# KiCad board 34.kicad_pcb
title: 34; date: 2022-01-05; rev: 0.1; company: <3
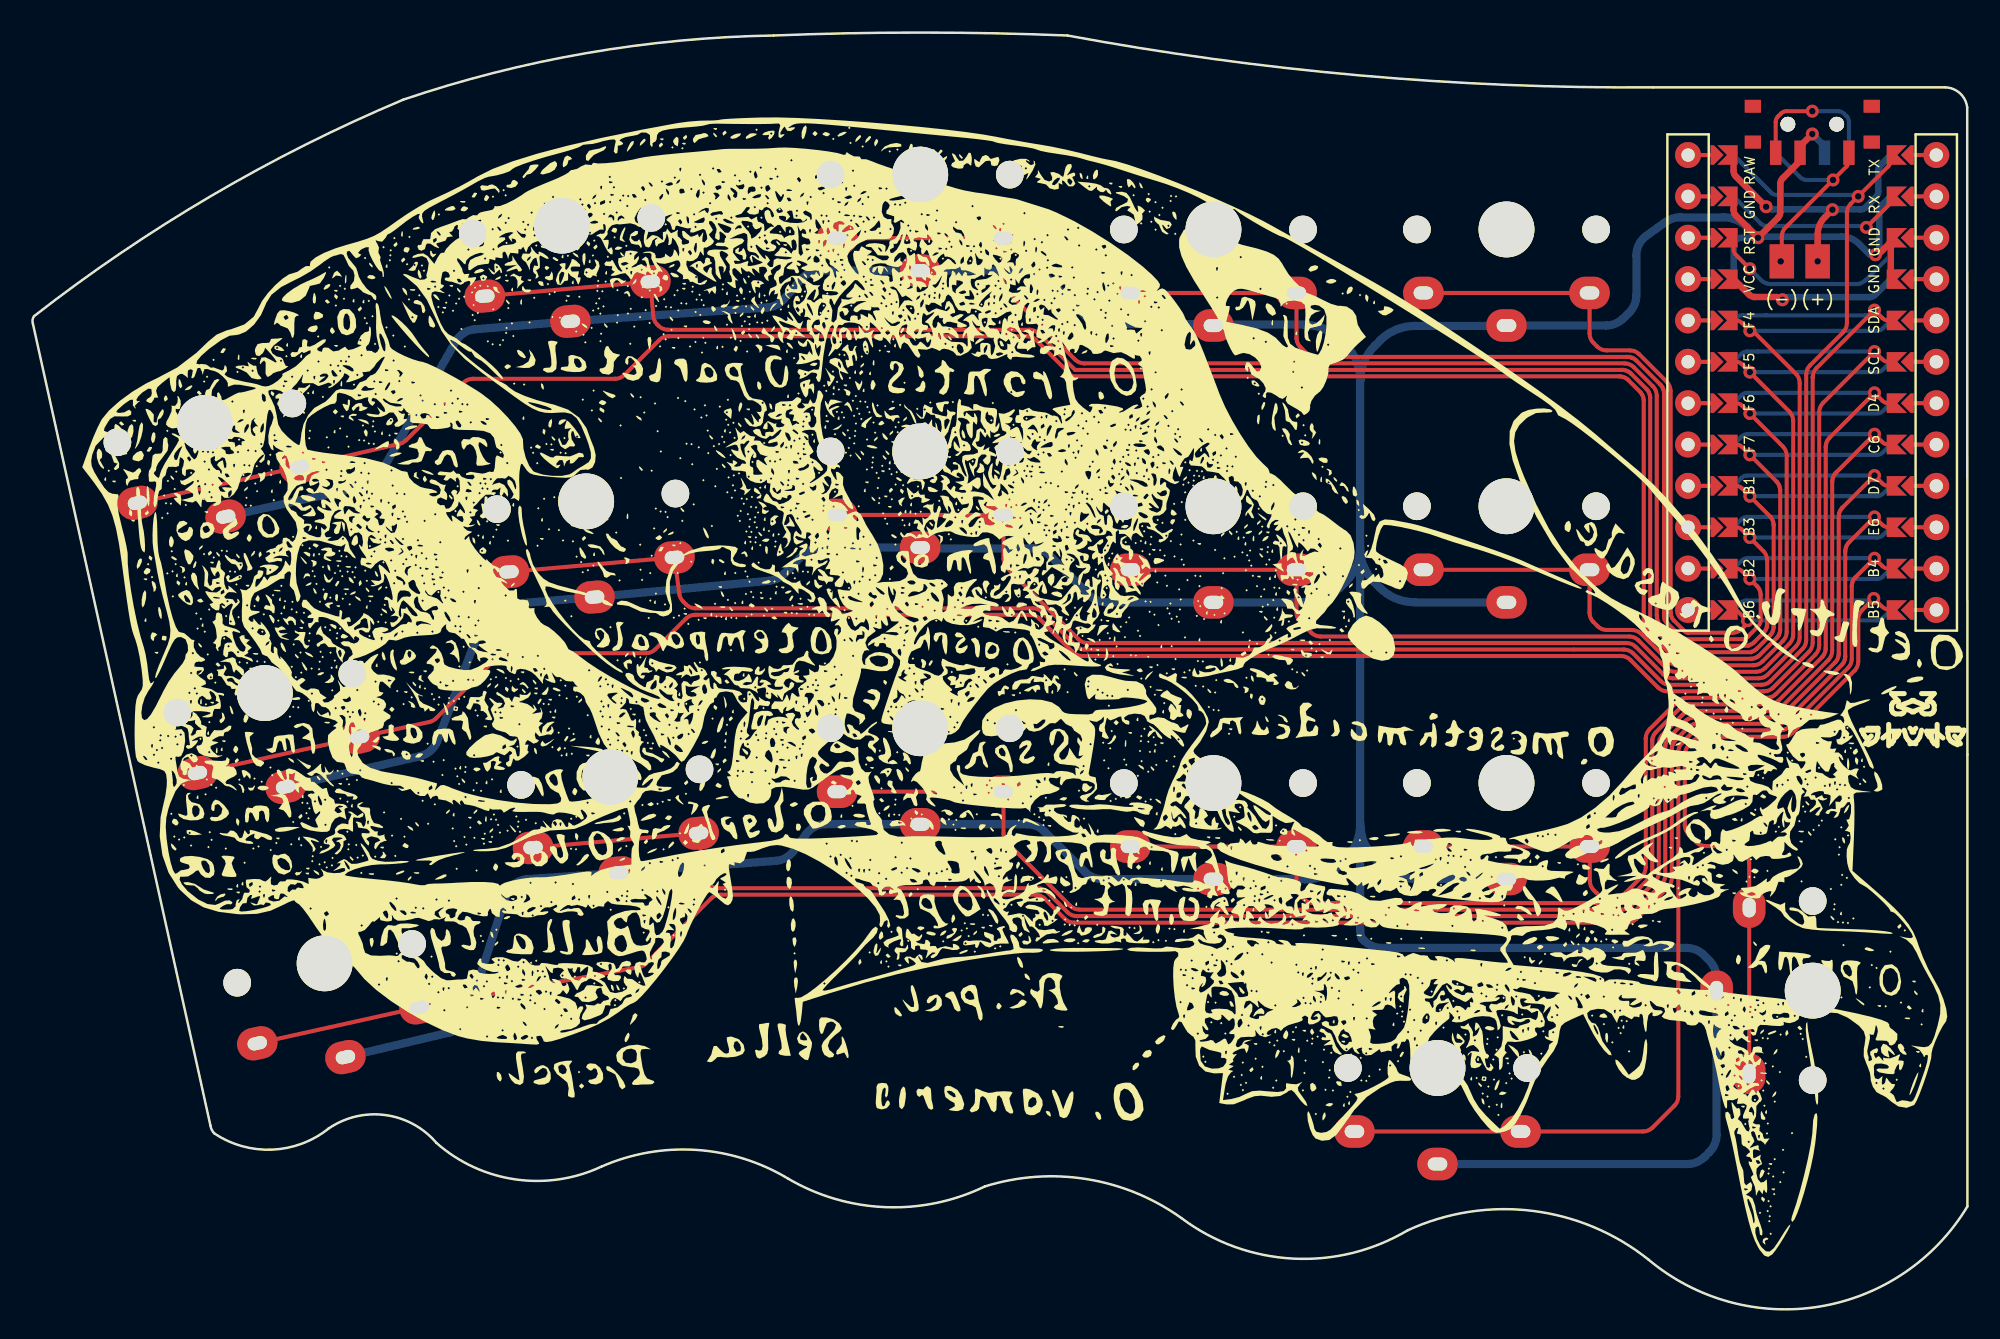
[diagram p0: board, top side]
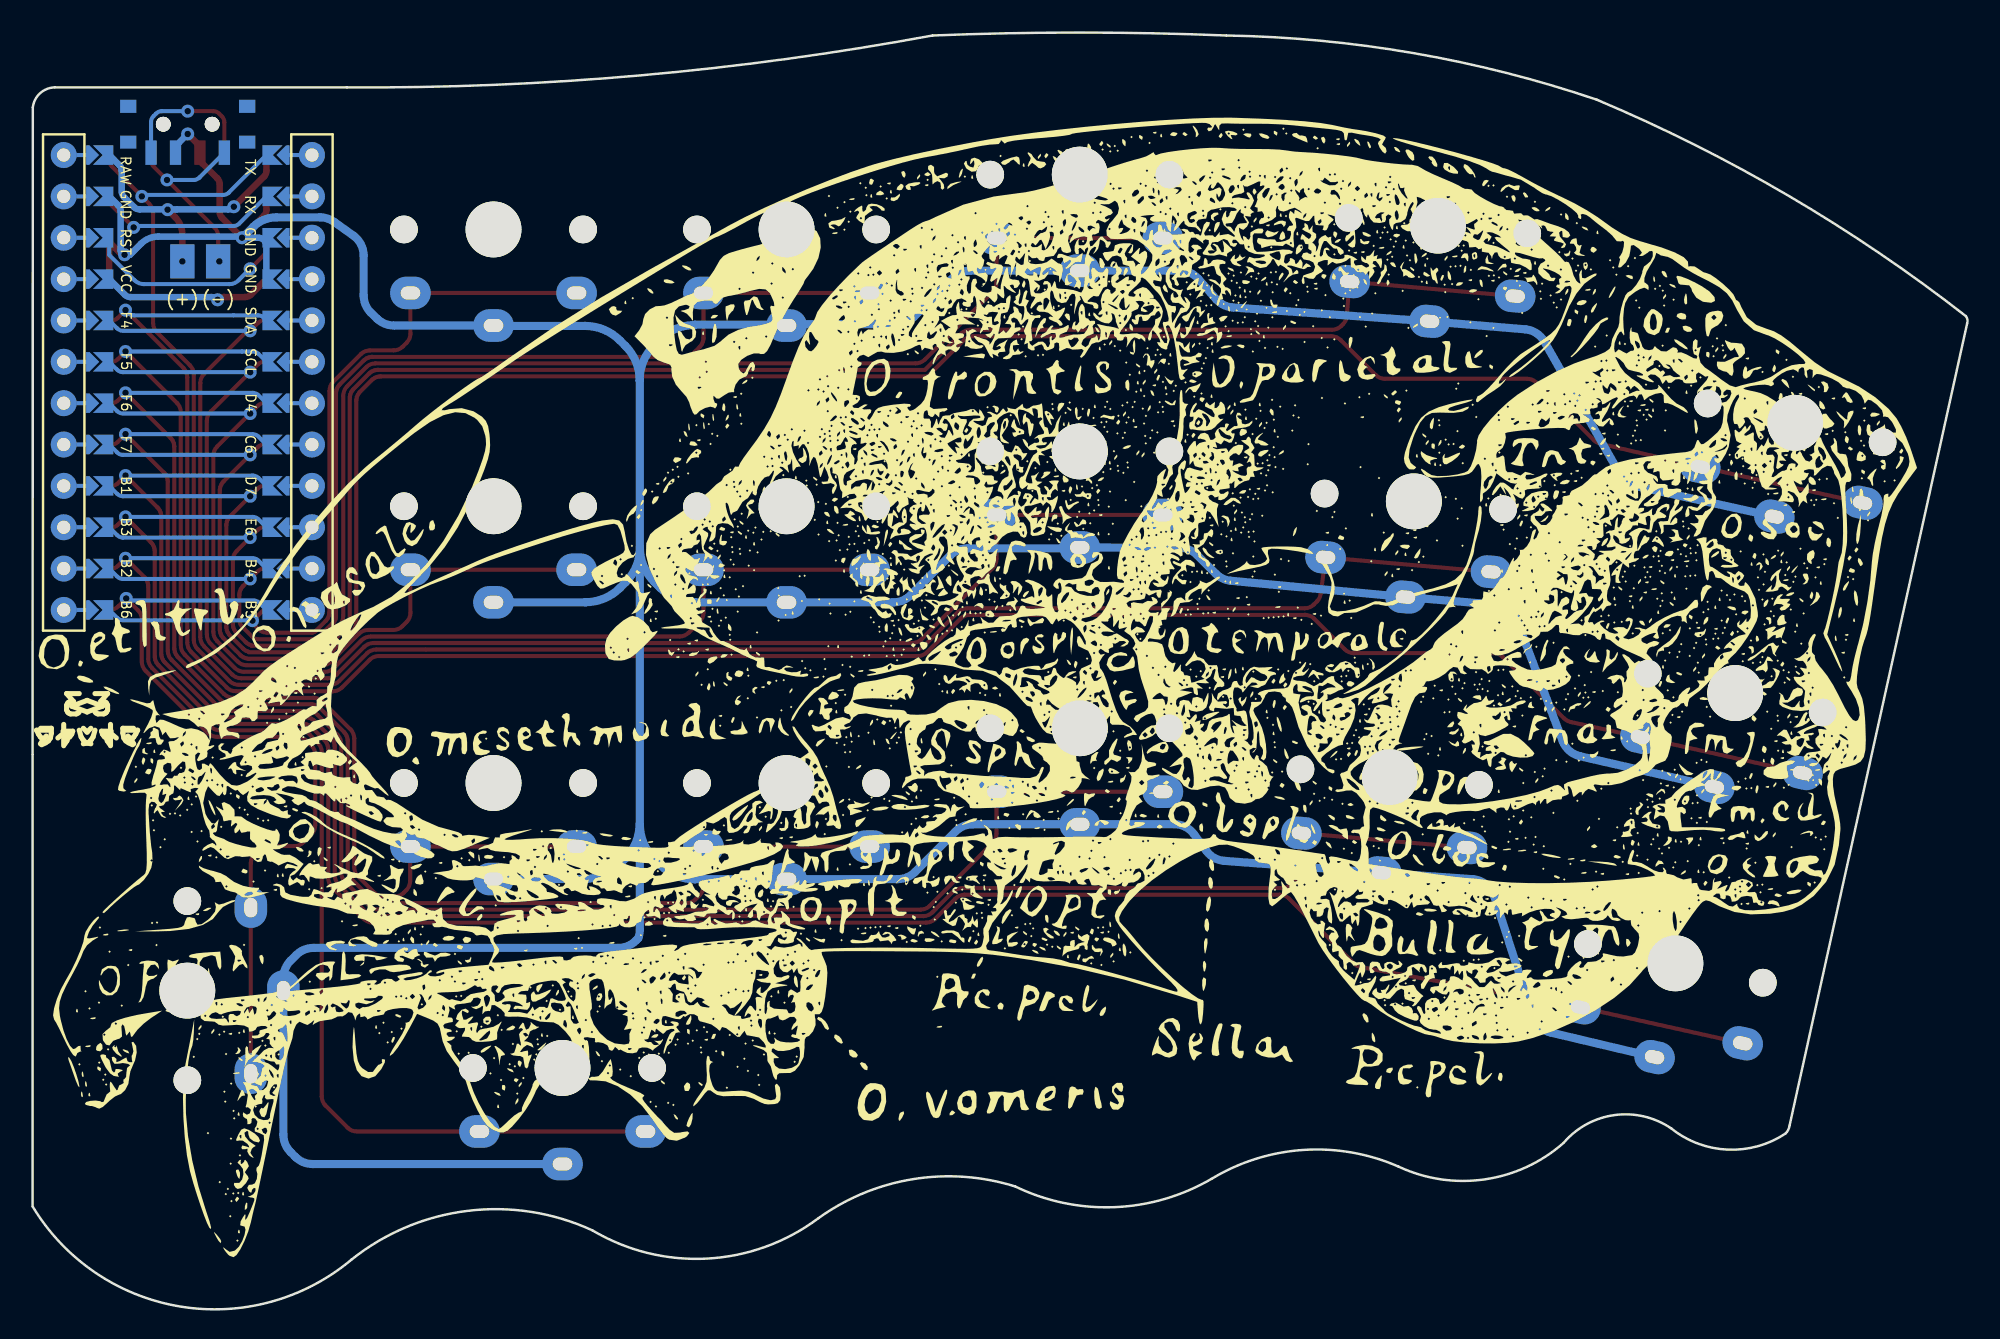
[diagram p1: board, bottom side, seen from below]

Outline 118.79 x 78.24 mm; copper layers: Top, Bottom. Coordinates in mm from the lower left corner of the outline.
Outline path: 0.02,60.37 arc(0,60.6) 0.09,60.82 arc(10.99,68.22) 22.77,74.12 arc(33.98,76.97) 45.5,78.06 arc(54.52,78.24) 63.53,78.06 arc(81.44,75.61) 99.49,74.87 117.44,74.87 arc(118.34,74.5) 118.78,73.64 118.79,33.9 118.79,6.15 arc(109.76,0) 99.22,2.87 arc(92.07,5.87) 84.42,4.67 arc(77.37,2.94) 70.54,5.42 arc(64.73,7.82) 58.47,7.37 arc(52.37,6.1) 46.39,7.85 arc(40.76,9.61) 34.94,8.6 arc(29.65,7.8) 24.79,10.05 arc(21.65,11.75) 18.17,10.92 arc(14.72,9.63) 11.17,10.62 arc(11,10.85) 10.92,11.12 0.02,60.37
Stack: Top 0.035mm / dielectric 1.51mm FR4 er 4.5 / Bottom 0.035mm

## Placement (name value [footprint] x y rotation side)
BT1  Battery_Cell  [Battery_pads_reversible]  108.5 64.18 180 top
CATSKULLB  -  [LOGO]  60.87 39.58 175 bottom
CATSKULLF  -  [LOGO]  60.87 39.58 355 top
PSW1  SW_SPDT  [Power_reversible]  109.27 72.61 180 top
SW1  SW_PUSH  [Choc_reversible]  10.58 54.27 12.5 top
SW2  SW_PUSH  [Choc_reversible]  32.51 66.38 5 top
SW3  SW_PUSH  [Choc_reversible]  54.5 69.51 0 top
SW4  SW_PUSH  [Choc_reversible]  72.5 66.14 0 top
SW5  SW_PUSH  [Choc_reversible]  90.49 66.15 0 top
SW6  SW_PUSH  [Choc_reversible]  14.26 37.67 12.5 top
SW7  SW_PUSH  [Choc_reversible]  33.99 49.44 5 top
SW8  SW_PUSH  [Choc_reversible]  54.5 52.51 0 top
SW9  SW_PUSH  [Choc_reversible]  72.5 49.14 0 top
SW10  SW_PUSH  [Choc_reversible]  90.49 49.15 0 top
SW11  SW_PUSH  [Choc_reversible]  17.93 21.07 12.5 top
SW12  SW_PUSH  [Choc_reversible]  35.47 32.51 5 top
SW13  SW_PUSH  [Choc_reversible]  54.5 35.51 0 top
SW14  SW_PUSH  [Choc_reversible]  72.5 32.14 0 top
SW15  SW_PUSH  [Choc_reversible]  90.49 32.15 0 top
SW16  SW_PUSH  [Choc_reversible]  86.26 14.65 0 top
SW17  SW_PUSH  [Choc_reversible]  109.29 19.4 270 top
U1  ProMicro  [ProMicro_jumpers]  109.26 56.75 0 top

## Library data of the parts
BT1 = -: Field4: BT01
PSW1 = -: Field4: SW01

## Footprints (pads in the part's own frame, mm; a bottom-side part is the same pattern mirrored in y, then rotated)
Battery_pads_reversible
  rect 1.5x2.1 smd: 1(-1.1,0) 2(1.1,0)
  rect 1.5x2.1 smd far side: 1(-1.1,0) 2(1.1,0)
Choc_reversible
  round 1.702 hole 1.702 unplated: (-5.5,0) (5.5,0)
  round 3.429 hole 3.429 unplated: (0,0)
  oval 2.5x2 hole 1.2x0.8: 1(-5.1,-3.9) 1(5.1,-3.9) 2(0,-5.9)
Power_reversible
  rect 1x0.8 smd: (-3.65,1.1) (-3.65,-1.1) (3.65,1.1) (3.65,-1.1)
  rect 1x0.8 smd far side: (-3.65,1.1) (-3.65,-1.1) (3.65,1.1) (3.65,-1.1)
  round 0.9 hole 0.9 unplated: (-1.5,0) (-1.5,0) (1.5,0) (1.5,0)
  rect 0.7x1.5 smd: 1(-2.25,1.75) 2(0.75,1.75) 3(2.25,1.75)
  rect 0.7x1.5 smd far side: 1(2.25,1.75) 2(-0.75,1.75) 3(-2.25,1.75)
ProMicro_jumpers
  round 1.6 hole 0.813: (-7.62,13.97) (-7.62,11.43) (-7.62,8.89) (-7.62,6.35) (-7.62,3.81) (-7.62,1.27) (-7.62,-1.27) (-7.62,-3.81) (-7.62,-6.35) (-7.62,-8.89) (-7.62,-11.43) (-7.62,-13.97) (7.62,13.97) (7.62,11.43) (7.62,8.89) (7.62,6.35) (7.62,3.81) (7.62,1.27) (7.62,-1.27) (7.62,-3.81) (7.62,-6.35) (7.62,-8.89) (7.62,-11.43) (7.62,-13.97)
  custom 1x0.25 smd: (-6.35,13.97) (-6.35,11.43) (-6.35,8.89) (-6.35,6.35) (-6.35,3.81) (-6.35,1.27) (-6.35,-1.27) (-6.35,-3.81) (-6.35,-6.35) (-6.35,-8.89) (-6.35,-11.43) (-6.35,-13.97) (6.35,13.97) (6.35,11.43) (6.35,8.89) (6.35,6.35) (6.35,3.81) (6.35,1.27) (6.35,-1.27) (6.35,-3.81) (6.35,-6.35) (6.35,-8.89) (6.35,-11.43) (6.35,-13.97)
  custom 1x0.25 smd far side: (-6.35,13.97) (-6.35,11.43) (-6.35,8.89) (-6.35,6.35) (-6.35,3.81) (-6.35,1.27) (-6.35,-1.27) (-6.35,-3.81) (-6.35,-6.35) (-6.35,-8.89) (-6.35,-11.43) (-6.35,-13.97) (6.35,13.97) (6.35,11.43) (6.35,8.89) (6.35,6.35) (6.35,3.81) (6.35,1.27) (6.35,-1.27) (6.35,-3.81) (6.35,-6.35) (6.35,-8.89) (6.35,-11.43) (6.35,-13.97)
  custom 0.8x1.2 smd: (-5.842,13.97) (-5.842,11.43) (-5.842,8.89) (-5.842,6.35) (-5.842,3.81) (-5.842,1.27) (-5.842,-1.27) (-5.842,-3.81) (-5.842,-6.35) (-5.842,-8.89) (-5.842,-11.43) (-5.842,-13.97) (5.842,13.97) (5.842,11.43) (5.842,8.89) (5.842,6.35) (5.842,3.81) (5.842,1.27) (5.842,-1.27) (5.842,-3.81) (5.842,-6.35) (5.842,-8.89) (5.842,-11.43) (5.842,-13.97)
  custom 0.8x1.2 smd far side: (-5.842,13.97) (-5.842,11.43) (-5.842,8.89) (-5.842,6.35) (-5.842,3.81) (-5.842,1.27) (-5.842,-1.27) (-5.842,-3.81) (-5.842,-6.35) (-5.842,-8.89) (-5.842,-11.43) (-5.842,-13.97) (5.842,13.97) (5.842,11.43) (5.842,8.89) (5.842,6.35) (5.842,3.81) (5.842,1.27) (5.842,-1.27) (5.842,-3.81) (5.842,-6.35) (5.842,-8.89) (5.842,-11.43) (5.842,-13.97)
  custom 1.25x1.2 smd far side: 1(-4.826,13.97) 2(-4.826,11.43) 3(-4.826,8.89) 4(-4.826,6.35) 5(-4.826,3.81) 6(-4.826,1.27) 7(-4.826,-1.27) 8(-4.826,-3.81) 9(-4.826,-6.35) 10(-4.826,-8.89) 11(-4.826,-11.43) 12(-4.826,-13.97) 13(4.826,-13.97) 14(4.826,-11.43) 15(4.826,-8.89) 16(4.826,-6.35) 17(4.826,-3.81) 18(4.826,-1.27) 19(4.826,1.27) 20(4.826,3.81) 21(4.826,6.35) 22(4.826,8.89) 23(4.826,11.43) 24(4.826,13.97)
  custom 1.25x1.2 smd: 1(4.826,13.97) 2(4.826,11.43) 3(4.826,8.89) 4(4.826,6.35) 5(4.826,3.81) 6(4.826,1.27) 7(4.826,-1.27) 8(4.826,-3.81) 9(4.826,-6.35) 10(4.826,-8.89) 11(4.826,-11.43) 12(4.826,-13.97) 13(-4.826,-13.97) 14(-4.826,-11.43) 15(-4.826,-8.89) 16(-4.826,-6.35) 17(-4.826,-3.81) 18(-4.826,-1.27) 19(-4.826,1.27) 20(-4.826,3.81) 21(-4.826,6.35) 22(-4.826,8.89) 23(-4.826,11.43) 24(-4.826,13.97)

## Nets
GND: PSW1.2 SW1.2 SW2.2 SW3.2 SW4.2 SW5.2 SW6.2 SW7.2 SW8.2 SW9.2 SW10.2 SW11.2 SW12.2 SW13.2 SW14.2 SW15.2 SW16.2 SW17.2 U1.3 U1.4 U1.23
VCC: U1.21
raw: BT1.1 U1.24
switch1: SW1.1 U1.17
switch2: SW2.1 U1.16
switch3: SW3.1 U1.15
switch4: SW4.1 U1.14
switch5: SW5.1 U1.13
switch6: SW6.1 U1.5
switch7: SW7.1 U1.1
switch8: SW8.1 U1.20
switch9: SW9.1 U1.19
switch10: SW10.1 U1.18
switch11: SW11.1 U1.10
switch12: SW12.1 U1.9
switch13: SW13.1 U1.8
switch14: SW14.1 U1.7
switch15: SW15.1 U1.6
switch16: SW16.1 U1.11
switch17: SW17.1 U1.12
Net-(BT1-Pad2): BT1.2 PSW1.1

Pads without a net: PSW1 3; U1 2 22

## Via types
v1: diameter 0.8, hole 0.4, Top to Bottom, 29 vias

## Routing (per net, layer and track width the routed paths; a pad name or vN(x,y) marks a point on that pad's centre or on a via; arc(x,y) is an arc through that point)
GND: length 398.1
  Top w0.4: v1(109.27,72.01) 108.66,71.4 arc(108.56,71.24) 108.52,71.05 PSW1.2 108.52,70.56 arc(108.48,70.37) 108.37,70.21 107.45,69.29 arc(107.34,69.12) 107.3,68.93 107.3,67.21 arc(107.27,67.02) 107.16,66.86 v1(105.93,65.64) 104.58,66.99 arc(104.47,67.15) 104.43,67.34 U1.23 ; U1.4 U1.3 114.09,65.57 arc(114.06,65.41) 113.98,65.27 113.31,64.59 v1(113.14,64.59)
  Bottom w0.4: U1.4 104.43,65.14 arc(104.58,65.49) 104.93,65.64 v1(105.93,65.64) ; v1(105.93,65.64) 106.01,65.71 111.07,65.71 arc(111.64,65.59) 112.13,65.27 112.81,64.59 v1(113.14,64.59) 113.26,64.59 113.35,64.68 arc(113.38,64.77) 113.39,64.87 113.39,67.27 arc(113.42,67.46) 113.53,67.62 U1.23 ; v1(105.93,65.64) 105.91,65.64 ; v1(109.27,72.01) 109.87,71.4 arc(109.98,71.24) 110.02,71.05 PSW1.2
  Bottom w0.5: 105.91,65.64 105.24,66.3 arc(104.59,66.74) 103.83,66.89 101.15,66.89 arc(100.69,66.82) 100.28,66.61 99.1,65.77 arc(98.63,65.23) 98.47,64.55 98.47,62.1 arc(98.35,61.52) 98.02,61.03 97.65,60.67 arc(97.17,60.36) 96.61,60.25 SW5.2 90.47,60.22 84.87,60.22 84.87,60.22 arc(83.72,59.99) 82.75,59.34 82.4,58.99 arc(81.75,58.02) 81.52,56.87 81.51,56.86 81.51,23.13 arc(81.53,22.87) 81.6,22.62 81.76,22.46 arc(82.25,22.13) 82.82,22.02 101.55,22.02 arc(102.12,21.91) 102.61,21.58 102.95,21.23 arc(103.28,20.75) 103.39,20.17 103.39,10.54 arc(103.28,9.97) 102.95,9.48 102.66,9.18 arc(102.17,8.86) 101.6,8.75 86.19,8.75 ; 72.55,26.19 72.5,26.14 SW14.2 ; SW6.2 23.78,33.79 arc(24.43,34.12) 24.85,34.72 27.66,42.14 arc(28.16,42.8) 28.94,43.1 SW7.2 45.23,44.57 arc(45.73,44.71) 46.15,45 47.3,46.16 arc(47.79,46.48) 48.36,46.6 54.51,46.61 54.56,46.56 61.39,46.56 arc(61.96,46.45) 62.45,46.12 64.89,43.68 arc(65.37,43.36) 65.95,43.24 SW9.2 78.12,43.24 78.13,43.25 arc(79.28,43.48) 80.25,44.13 80.63,44.5 arc(81.28,45.48) 81.51,46.62 ; SW14.2 78.12,26.24 78.13,26.23 arc(79.28,26.46) 80.25,27.11 80.63,27.48 arc(81.28,28.46) 81.51,29.61 ; SW14.2 65.68,26.24 arc(65.1,26.36) 64.61,26.68 62.12,29.17 arc(61.64,29.5) 61.06,29.61 54.51,29.61 48.7,29.62 arc(48.02,29.46) 47.49,29.01 46.73,27.97 arc(46.25,27.55) 45.63,27.37 SW12.2 30.38,26.24 arc(29.56,25.93) 29.06,25.2 26.68,17.82 arc(26.27,17.18) 25.59,16.83 SW11.2 ; SW1.2 20.34,50.38 arc(20.91,50.63) 21.32,51.1 25.98,59.26 arc(26.47,59.78) 27.15,60.01 SW2.2 45.1,61.35 arc(45.66,61.5) 46.12,61.86 47.22,63.11 arc(47.73,63.49) 48.35,63.62 54.51,63.61 61.23,63.61 arc(61.8,63.5) 62.29,63.17 64.69,60.77 arc(65.18,60.44) 65.75,60.33 72.42,60.33 SW4.2 72.55,60.3 78.12,60.3 78.15,60.27 arc(79.29,60.05) 80.27,59.4 80.64,59.02 arc(81.29,58.05) 81.52,56.9 ; 90.49,43.25 84.85,43.25 84.85,43.25 arc(83.7,43.48) 82.73,44.13 82.38,44.48 arc(81.73,45.45) 81.5,46.6 ; 90.51,26.25 84.91,26.25 84.9,26.26 arc(83.75,26.49) 82.78,27.14 82.4,27.51 arc(81.75,28.48) 81.53,29.63
VCC: length 10.6
  Top w0.4: v1(107.43,61.83) 107.41,61.85 arc(107.25,61.96) 107.06,61.99 105.74,61.99 arc(105.55,62.03) 105.39,62.14 U1.21
  Bottom w0.4: U1.21 113.13,62.14 arc(112.96,62.03) 112.77,61.99 107.81,61.99 arc(107.61,61.95) 107.45,61.84 v1(107.43,61.83)
raw: length 17.5
  Top w0.4: U1.24 104.43,69.75 arc(104.47,69.56) 104.58,69.39 v1(106.43,67.54) ; v1(109.6,64.18) 109.6,65.83 arc(109.71,66.41) 110.04,66.89 v1(110.5,67.36)
  Bottom w0.4: U1.24 113.47,70.1 arc(113.36,69.93) 113.32,69.74 113.32,68.48 arc(113.28,68.29) 113.17,68.13 112.57,67.52 arc(112.41,67.41) 112.21,67.38 106.81,67.38 arc(106.61,67.41) 106.45,67.52 v1(106.43,67.54)
switch1: length 142.7
  Top w0.25: U1.17 104.59,52.94 arc(104.78,52.9) 104.95,52.79 v1(105.43,52.3) 107.06,50.67 107.12,50.62 107.2,50.49 107.26,50.34 107.29,50.19 107.3,50.11 107.3,41.59 107.29,41.52 107.26,41.36 107.2,41.22 107.12,41.09 107.06,41.03 106.04,40.01 105.99,39.96 105.86,39.87 105.71,39.81 105.56,39.78 105.48,39.78 101.19,39.78 101.11,39.78 100.96,39.81 100.81,39.87 100.68,39.96 100.62,40.01 99.15,41.48 99.1,41.54 99.01,41.67 98.95,41.82 98.92,41.97 98.92,42.05 98.92,55.61 98.92,55.69 98.89,55.85 98.83,55.99 98.74,56.12 98.68,56.18 97.98,56.89 97.92,56.94 97.79,57.03 97.64,57.09 97.49,57.12 97.41,57.12 63.84,57.12 61.61,59.35 arc(61.35,59.52) 61.04,59.59 39.04,59.59 arc(38.74,59.52) 38.48,59.35 36.33,57.21 arc(36.08,57.04) 35.77,56.97 27.03,56.97 arc(26.73,56.91) 26.47,56.74 22.93,53.2 arc(22.75,53.07) 22.54,52.99 SW1.1 SW1.1
  Bottom w0.25: U1.17 113.6,52.45 arc(113.43,52.34) 113.24,52.3 v1(105.43,52.3)
switch2: length 117.4
  Top w0.25: SW2.1 SW2.1 38.11,60.82 arc(38.18,60.55) 38.34,60.32 38.44,60.22 arc(38.7,60.05) 39.01,59.98 61.21,59.98 arc(61.51,59.92) 61.77,59.75 64,57.52 97.58,57.52 97.66,57.52 97.81,57.49 97.95,57.43 98.09,57.34 98.14,57.29 99.08,56.34 99.14,56.29 99.23,56.16 99.29,56.01 99.32,55.86 99.32,55.78 99.32,42.21 99.32,42.14 99.35,41.98 99.41,41.84 99.5,41.71 99.55,41.65 100.79,40.41 100.85,40.36 100.98,40.27 101.12,40.21 101.15,40.18 105.51,40.18 105.55,40.21 105.69,40.27 105.82,40.36 105.88,40.41 106.66,41.19 106.72,41.25 106.8,41.38 106.86,41.53 106.89,41.68 106.9,41.76 106.9,47.97 106.89,48.04 106.86,48.2 106.8,48.34 106.72,48.48 106.66,48.53 v1(105.43,49.76) 104.95,50.25 arc(104.78,50.36) 104.59,50.4 U1.16
  Bottom w0.25: U1.16 113.6,49.91 arc(113.43,49.8) 113.24,49.76 v1(105.43,49.76)
switch3: length 93.9
  Top w0.25: U1.15 104.59,47.86 arc(104.78,47.82) 104.95,47.71 v1(105.43,47.22) 106.26,46.39 arc(106.44,46.13) 106.5,45.83 106.5,41.93 106.49,41.85 106.46,41.69 106.4,41.55 106.32,41.42 106.26,41.36 105.71,40.81 105.66,40.76 105.53,40.67 105.38,40.61 105.35,40.58 101.44,40.58 101.29,40.61 101.14,40.67 101.01,40.76 100.96,40.81 100,41.76 arc(99.79,42.08) 99.72,42.45 99.72,55.94 arc(99.66,56.25) 99.48,56.51 98.31,57.68 arc(98.05,57.86) 97.74,57.92 64.57,57.92 arc(64.27,57.98) 64.01,58.15 59.85,62.32 arc(59.67,62.58) 59.61,62.88 59.61,65.61 49.41,65.61
  Bottom w0.25: v1(105.43,47.22) 113.24,47.22 arc(113.43,47.26) 113.6,47.37 U1.15
switch4: length 70.9
  Top w0.25: SW4.1 SW4.1 77.6,59.49 77.6,59.41 77.63,59.26 77.69,59.12 77.78,58.98 77.83,58.93 78.21,58.55 78.27,58.5 78.4,58.41 78.54,58.35 78.7,58.32 78.78,58.32 97.91,58.32 97.99,58.32 98.14,58.29 98.29,58.23 98.42,58.14 98.47,58.08 99.93,56.63 99.98,56.57 100.07,56.44 100.13,56.3 100.16,56.14 100.16,56.06 100.16,42.37 100.17,42.31 100.2,42.18 100.26,42.07 100.31,42.02 100.34,41.99 100.35,41.99 100.4,41.93 101.12,41.21 101.18,41.16 101.31,41.07 101.45,41.01 101.61,40.98 104.94,40.98 arc(105.13,41.02) 105.3,41.12 105.84,41.67 105.84,41.67 105.95,41.78 arc(106.06,41.95) 106.1,42.14 106.1,43.69 106.1,43.76 106.06,43.92 106,44.06 105.92,44.19 105.86,44.25 v1(105.43,44.68) 104.95,45.17 arc(104.78,45.28) 104.59,45.32 U1.14
  Bottom w0.25: v1(105.43,44.68) 113.24,44.68 arc(113.43,44.72) 113.6,44.83 114.09,45.32
switch5: length 48.9
  Top w0.25: SW5.1 SW5.1 95.59,59.75 arc(95.65,59.45) 95.83,59.19 96.06,58.95 arc(96.32,58.78) 96.63,58.72 98.07,58.72 arc(98.38,58.66) 98.64,58.48 100.33,56.79 arc(100.5,56.53) 100.57,56.23 100.57,42.66 100.57,42.58 100.6,42.43 100.66,42.28 100.74,42.15 100.8,42.1 101.4,41.5 101.43,41.47 101.5,41.42 101.57,41.39 101.65,41.38 104.38,41.38 arc(104.65,41.42) 104.89,41.56 105.29,41.96 v1(105.29,42.12) 105.26,42.12 104.61,42.78 U1.13
  Bottom w0.25: v1(105.29,42.12) 105.31,42.14 113.24,42.14 arc(113.43,42.18) 113.6,42.29 U1.13
switch6: length 137.4
  Top w0.25: SW6.1 SW6.1 24.36,35.9 arc(24.58,35.97) 24.76,36.11 28.53,39.89 arc(28.79,40.06) 29.1,40.12 37.66,40.12 arc(37.97,40.18) 38.23,40.35 40.11,42.24 arc(40.37,42.41) 40.68,42.48 61.25,42.48 arc(61.56,42.41) 61.82,42.24 63.88,40.18 arc(64.14,40.01) 64.44,39.95 97.53,39.95 arc(97.84,39.89) 98.1,39.71 99.8,38.01 arc(100.06,37.84) 100.36,37.78 106.3,37.78 arc(106.61,37.84) 106.87,38.01 109.06,40.2 arc(109.23,40.46) 109.29,40.77 109.29,57.07 arc(109.35,57.37) 109.53,57.63 v1(113.09,61.19) 113.57,60.7 arc(113.74,60.59) 113.93,60.56 U1.5
  Bottom w0.25: U1.5 104.6,60.73 arc(104.77,60.83) 104.96,60.87 112.56,60.87 arc(112.75,60.91) 112.91,61.02 v1(113.09,61.19)
switch7: length 125.6
  Top w0.25: U1.1 114.09,70.38 arc(114.05,70.19) 113.94,70.03 v1(112.09,68.18) 111.63,67.72 arc(111.45,67.46) 111.39,67.15 111.39,60.39 arc(111.33,60.09) 111.16,59.83 109.13,57.8 arc(108.95,57.54) 108.89,57.23 108.89,40.93 arc(108.83,40.63) 108.66,40.37 106.71,38.41 arc(106.45,38.24) 106.14,38.18 100.53,38.18 arc(100.22,38.24) 99.96,38.41 98.26,40.11 arc(98,40.29) 97.7,40.35 64.61,40.35 arc(64.3,40.41) 64.04,40.58 61.98,42.64 arc(61.72,42.81) 61.42,42.88 40.69,42.88 arc(40.39,42.94) 40.13,43.11 39.93,43.3 arc(39.78,43.52) 39.71,43.76 SW7.1 SW7.1
  Bottom w0.25: v1(112.09,68.18) 112,68.26 107.09,68.26 arc(106.9,68.3) 106.74,68.41 U1.1
switch8: length 96.3
  Top w0.25: U1.20 104.59,60.56 arc(104.78,60.52) 104.95,60.41 v1(105.43,59.92) 105.62,59.92 108.26,57.28 arc(108.43,57.02) 108.49,56.71 108.49,41.1 arc(108.43,40.79) 108.26,40.53 106.54,38.81 arc(106.28,38.64) 105.97,38.58 100.69,38.58 arc(100.39,38.64) 100.13,38.81 98.43,40.51 arc(98.17,40.68) 97.86,40.75 64.77,40.75 arc(64.47,40.81) 64.21,40.98 59.85,45.34 arc(59.67,45.6) 59.61,45.91 59.61,48.61 49.41,48.61
  Bottom w0.25: v1(105.43,59.92) 113.24,59.92 arc(113.43,59.96) 113.6,60.07 U1.20
switch9: length 73.3
  Top w0.25: U1.19 104.59,58.02 arc(104.78,57.98) 104.95,57.87 v1(105.43,57.38) 107.86,54.95 arc(108.03,54.69) 108.09,54.39 108.09,41.26 arc(108.03,40.96) 107.86,40.7 106.37,39.21 arc(106.11,39.04) 105.81,38.98 100.86,38.98 arc(100.55,39.04) 100.29,39.21 98.59,40.91 arc(98.33,41.08) 98.03,41.15 79.07,41.15 arc(78.77,41.21) 78.51,41.38 77.83,42.05 arc(77.66,42.31) 77.6,42.62 SW9.1 SW9.1
  Bottom w0.25: v1(105.43,57.38) 113.24,57.38 arc(113.43,57.42) 113.6,57.53 U1.19
switch10: length 51.8
  Top w0.25: U1.18 104.59,55.48 arc(104.78,55.44) 104.95,55.33 v1(105.43,54.84) 107.46,52.81 arc(107.63,52.55) 107.7,52.25 107.7,41.43 arc(107.63,41.12) 107.46,40.86 106.21,39.61 arc(105.95,39.44) 105.64,39.38 101.02,39.38 arc(100.72,39.44) 100.46,39.61 98.76,41.31 arc(98.5,41.48) 98.19,41.54 96.65,41.54 arc(96.34,41.61) 96.08,41.78 95.83,42.04 arc(95.65,42.3) 95.59,42.6 95.59,45.25 85.39,45.25
  Bottom w0.25: U1.18 113.6,54.99 arc(113.43,54.88) 113.24,54.84 v1(105.43,54.84)
switch11: length 131.6
  Top w0.25: SW11.1 SW11.1 37.25,20.84 arc(37.47,20.92) 37.67,21.06 41.66,25.05 arc(41.92,25.23) 42.22,25.29 61.56,25.29 arc(61.87,25.23) 62.13,25.05 63.38,23.8 arc(63.64,23.63) 63.94,23.57 97.9,23.57 arc(98.2,23.63) 98.46,23.8 100.41,25.75 arc(100.58,26.01) 100.64,26.31 100.64,34.22 100.64,34.3 100.67,34.45 100.73,34.6 100.82,34.73 100.87,34.78 101.64,35.55 101.7,35.6 101.83,35.69 101.97,35.75 102.13,35.78 102.2,35.78 107.13,35.78 107.21,35.78 107.37,35.81 107.51,35.87 107.64,35.96 107.7,36.02 111.06,39.37 111.11,39.43 111.2,39.56 111.26,39.71 111.29,39.86 111.29,39.94 111.29,46.36 111.29,46.44 111.32,46.6 111.38,46.74 111.47,46.87 111.53,46.93 v1(113.09,48.49) 113.57,48 arc(113.74,47.89) 113.93,47.86 U1.10
  Bottom w0.25: U1.10 104.92,48.34 arc(105.08,48.45) 105.28,48.49 v1(113.09,48.49)
switch12: length 117.2
  Top w0.25: SW12.1 SW12.1 41.19,26.5 arc(41.26,26.24) 41.41,26.02 41.52,25.92 arc(41.78,25.75) 42.08,25.69 61.73,25.69 arc(62.03,25.63) 62.29,25.45 63.54,24.21 arc(63.8,24.03) 64.11,23.97 97.73,23.97 arc(98.04,24.03) 98.3,24.21 100.01,25.91 arc(100.18,26.17) 100.24,26.48 100.24,34.38 100.24,34.46 100.27,34.62 100.33,34.76 100.42,34.89 100.48,34.95 101.47,35.95 101.53,36 101.66,36.09 101.81,36.15 101.96,36.18 102.04,36.18 106.97,36.18 107.05,36.18 107.2,36.21 107.35,36.27 107.48,36.36 107.53,36.42 110.66,39.54 110.71,39.6 110.8,39.73 110.86,39.87 110.89,40.03 110.89,40.11 110.89,48.5 110.89,48.58 110.92,48.74 110.98,48.88 111.07,49.01 111.13,49.07 v1(113.09,51.03) 113.57,50.54 arc(113.74,50.43) 113.93,50.4 U1.9
  Bottom w0.25: U1.9 104.92,50.88 arc(105.08,50.99) 105.28,51.03 v1(113.09,51.03)
switch13: length 101.8
  Top w0.25: U1.8 113.93,52.94 arc(113.74,52.97) 113.57,53.08 v1(113.09,53.57) 110.73,51.21 110.67,51.15 110.58,51.02 110.52,50.88 110.49,50.72 110.49,50.65 110.49,40.27 arc(110.43,39.96) 110.26,39.71 107.37,36.81 arc(107.11,36.64) 106.8,36.58 101.87,36.58 arc(101.57,36.52) 101.31,36.35 100.08,35.11 arc(99.9,34.85) 99.84,34.55 99.84,26.65 arc(99.78,26.34) 99.61,26.08 98.13,24.61 arc(97.87,24.43) 97.57,24.37 64.27,24.37 arc(63.97,24.43) 63.71,24.61 59.85,28.47 arc(59.67,28.73) 59.61,29.03 59.61,31.61 49.41,31.61
  Bottom w0.25: U1.8 104.92,53.42 arc(105.08,53.53) 105.28,53.57 v1(113.09,53.57)
switch14: length 84.2
  Top w0.25: SW14.1 SW14.1 77.6,25.82 arc(77.66,25.51) 77.83,25.25 78.08,25 arc(78.34,24.83) 78.65,24.77 97.4,24.77 arc(97.71,24.83) 97.97,25 99.21,26.25 arc(99.38,26.5) 99.44,26.81 99.44,34.71 99.44,34.79 99.47,34.95 99.53,35.09 99.62,35.22 99.68,35.28 101.14,36.75 101.2,36.8 101.33,36.89 101.48,36.95 101.63,36.98 101.71,36.98 106.64,36.98 106.71,36.98 106.87,37.01 107.01,37.07 107.14,37.16 107.2,37.21 109.86,39.87 109.91,39.93 110,40.06 110.06,40.2 110.09,40.36 110.09,40.44 110.09,52.79 110.09,52.86 110.12,53.02 110.18,53.16 110.27,53.29 110.33,53.35 v1(113.09,56.11) 113.57,55.62 arc(113.74,55.51) 113.93,55.48 U1.7
  Bottom w0.25: U1.7 104.92,55.96 arc(105.08,56.07) 105.28,56.11 v1(113.09,56.11)
switch15: length 67.9
  Top w0.25: 85.41,28.25 95.61,28.25 95.61,26.13 arc(95.67,25.83) 95.84,25.57 96.01,25.4 arc(96.27,25.23) 96.57,25.17 97.24,25.17 arc(97.54,25.23) 97.8,25.4 98.81,26.41 arc(98.98,26.67) 99.04,26.98 99.04,34.88 99.04,34.88 arc(99.1,35.19) 99.28,35.44 100.98,37.15 arc(101.24,37.32) 101.54,37.38 106.47,37.38 arc(106.78,37.44) 107.04,37.61 109.46,40.04 arc(109.63,40.3) 109.69,40.6 109.69,54.93 arc(109.75,55.23) 109.93,55.49 v1(113.09,58.65) 113.57,58.16 arc(113.74,58.05) 113.93,58.02 U1.6
  Bottom w0.25: v1(113.09,58.65) 105.28,58.65 arc(105.08,58.61) 104.92,58.5 U1.6
switch16: length 72.2
  Top w0.25: 114.09,45.32 113.93,45.32 arc(113.74,45.35) 113.57,45.46 v1(113.09,45.95) 111.92,44.79 111.87,44.73 111.78,44.6 111.72,44.46 111.69,44.3 111.69,44.22 111.69,39.77 arc(111.63,39.47) 111.46,39.21 107.86,35.62 arc(107.6,35.44) 107.3,35.38 102.37,35.38 arc(102.06,35.32) 101.8,35.15 101.27,34.62 arc(101.1,34.36) 101.04,34.05 101.04,12.9 arc(100.98,12.59) 100.81,12.33 99.45,10.98 arc(99.19,10.81) 98.89,10.75 SW16.1 SW16.1
  Bottom w0.25: v1(113.09,45.95) 105.28,45.95 arc(105.08,45.91) 104.92,45.8 U1.11
switch17: length 50.1
  Top w0.25: U1.12 114.08,42.78 arc(113.78,42.84) 113.52,43.01 v1(113.04,43.48) 112.32,42.76 arc(112.15,42.5) 112.09,42.2 112.09,39.61 arc(112.03,39.3) 111.86,39.04 108.03,35.22 arc(107.77,35.04) 107.46,34.98 102.54,34.98 arc(102.23,34.92) 101.97,34.75 101.67,34.45 arc(101.5,34.19) 101.44,33.89 101.44,29.56 arc(101.5,29.25) 101.67,28.99 102.16,28.51 arc(102.42,28.33) 102.73,28.27 104.35,28.27 arc(104.66,28.21) 104.91,28.04 105.16,27.79 arc(105.33,27.54) 105.39,27.23 SW17.1 105.39,14.3
  Bottom w0.25: U1.12 104.87,43.21 arc(105.03,43.32) 105.22,43.36 112.92,43.36 v1(113.04,43.48)
Net-(BT1-Pad2): length 12.5
  Top w0.25: PSW1.1 111.52,70.37 arc(111.48,70.18) 111.37,70.02 v1(110.54,69.19) 107.63,66.28 arc(107.46,66.02) 107.4,65.71 BT1.2
  Bottom w0.25: PSW1.1 108.54,69.33 arc(108.71,69.22) 108.9,69.19 v1(110.54,69.19)
  vias: v1(107.33,64.18)
unconnected-(PSW1-Pad3): length 9
  Top w0.25: PSW1.3 107.02,72.73 arc(107.06,72.92) 107.16,73.09 107.34,73.26 arc(107.5,73.37) 107.7,73.41 v1(109.27,73.41)
  Bottom w0.25: PSW1.3 111.52,72.74 arc(111.48,72.94) 111.37,73.1 111.21,73.26 arc(111.05,73.37) 110.85,73.41 v1(109.27,73.41)
unconnected-(U1-Pad2): length 11.4
  Top w0.25: U1.2 114.09,67.98 arc(114.05,67.79) 113.94,67.62 v1(112.59,66.27)
  Bottom w0.25: U1.2 106.1,66.51 arc(106.26,66.4) 106.46,66.36 112.5,66.36 v1(112.59,66.27)
unconnected-(U1-Pad22): length 13.1
  Top w0.25: v1(105.43,63.73) 104.58,64.58 arc(104.47,64.75) 104.43,64.94 U1.22
  Bottom w0.25: v1(105.43,63.73) 106.14,63.02 arc(106.4,62.85) 106.71,62.79 111.96,62.79 arc(112.27,62.85) 112.53,63.02 114.09,64.58 U1.22

## Text on the board
B.Silkscreen: <3 / ファントマ
F.Silkscreen: <3 / ファントマ
